# Altium PCB LAB_B3_209_V1.PcbDoc (part 3 of 4) (continued)
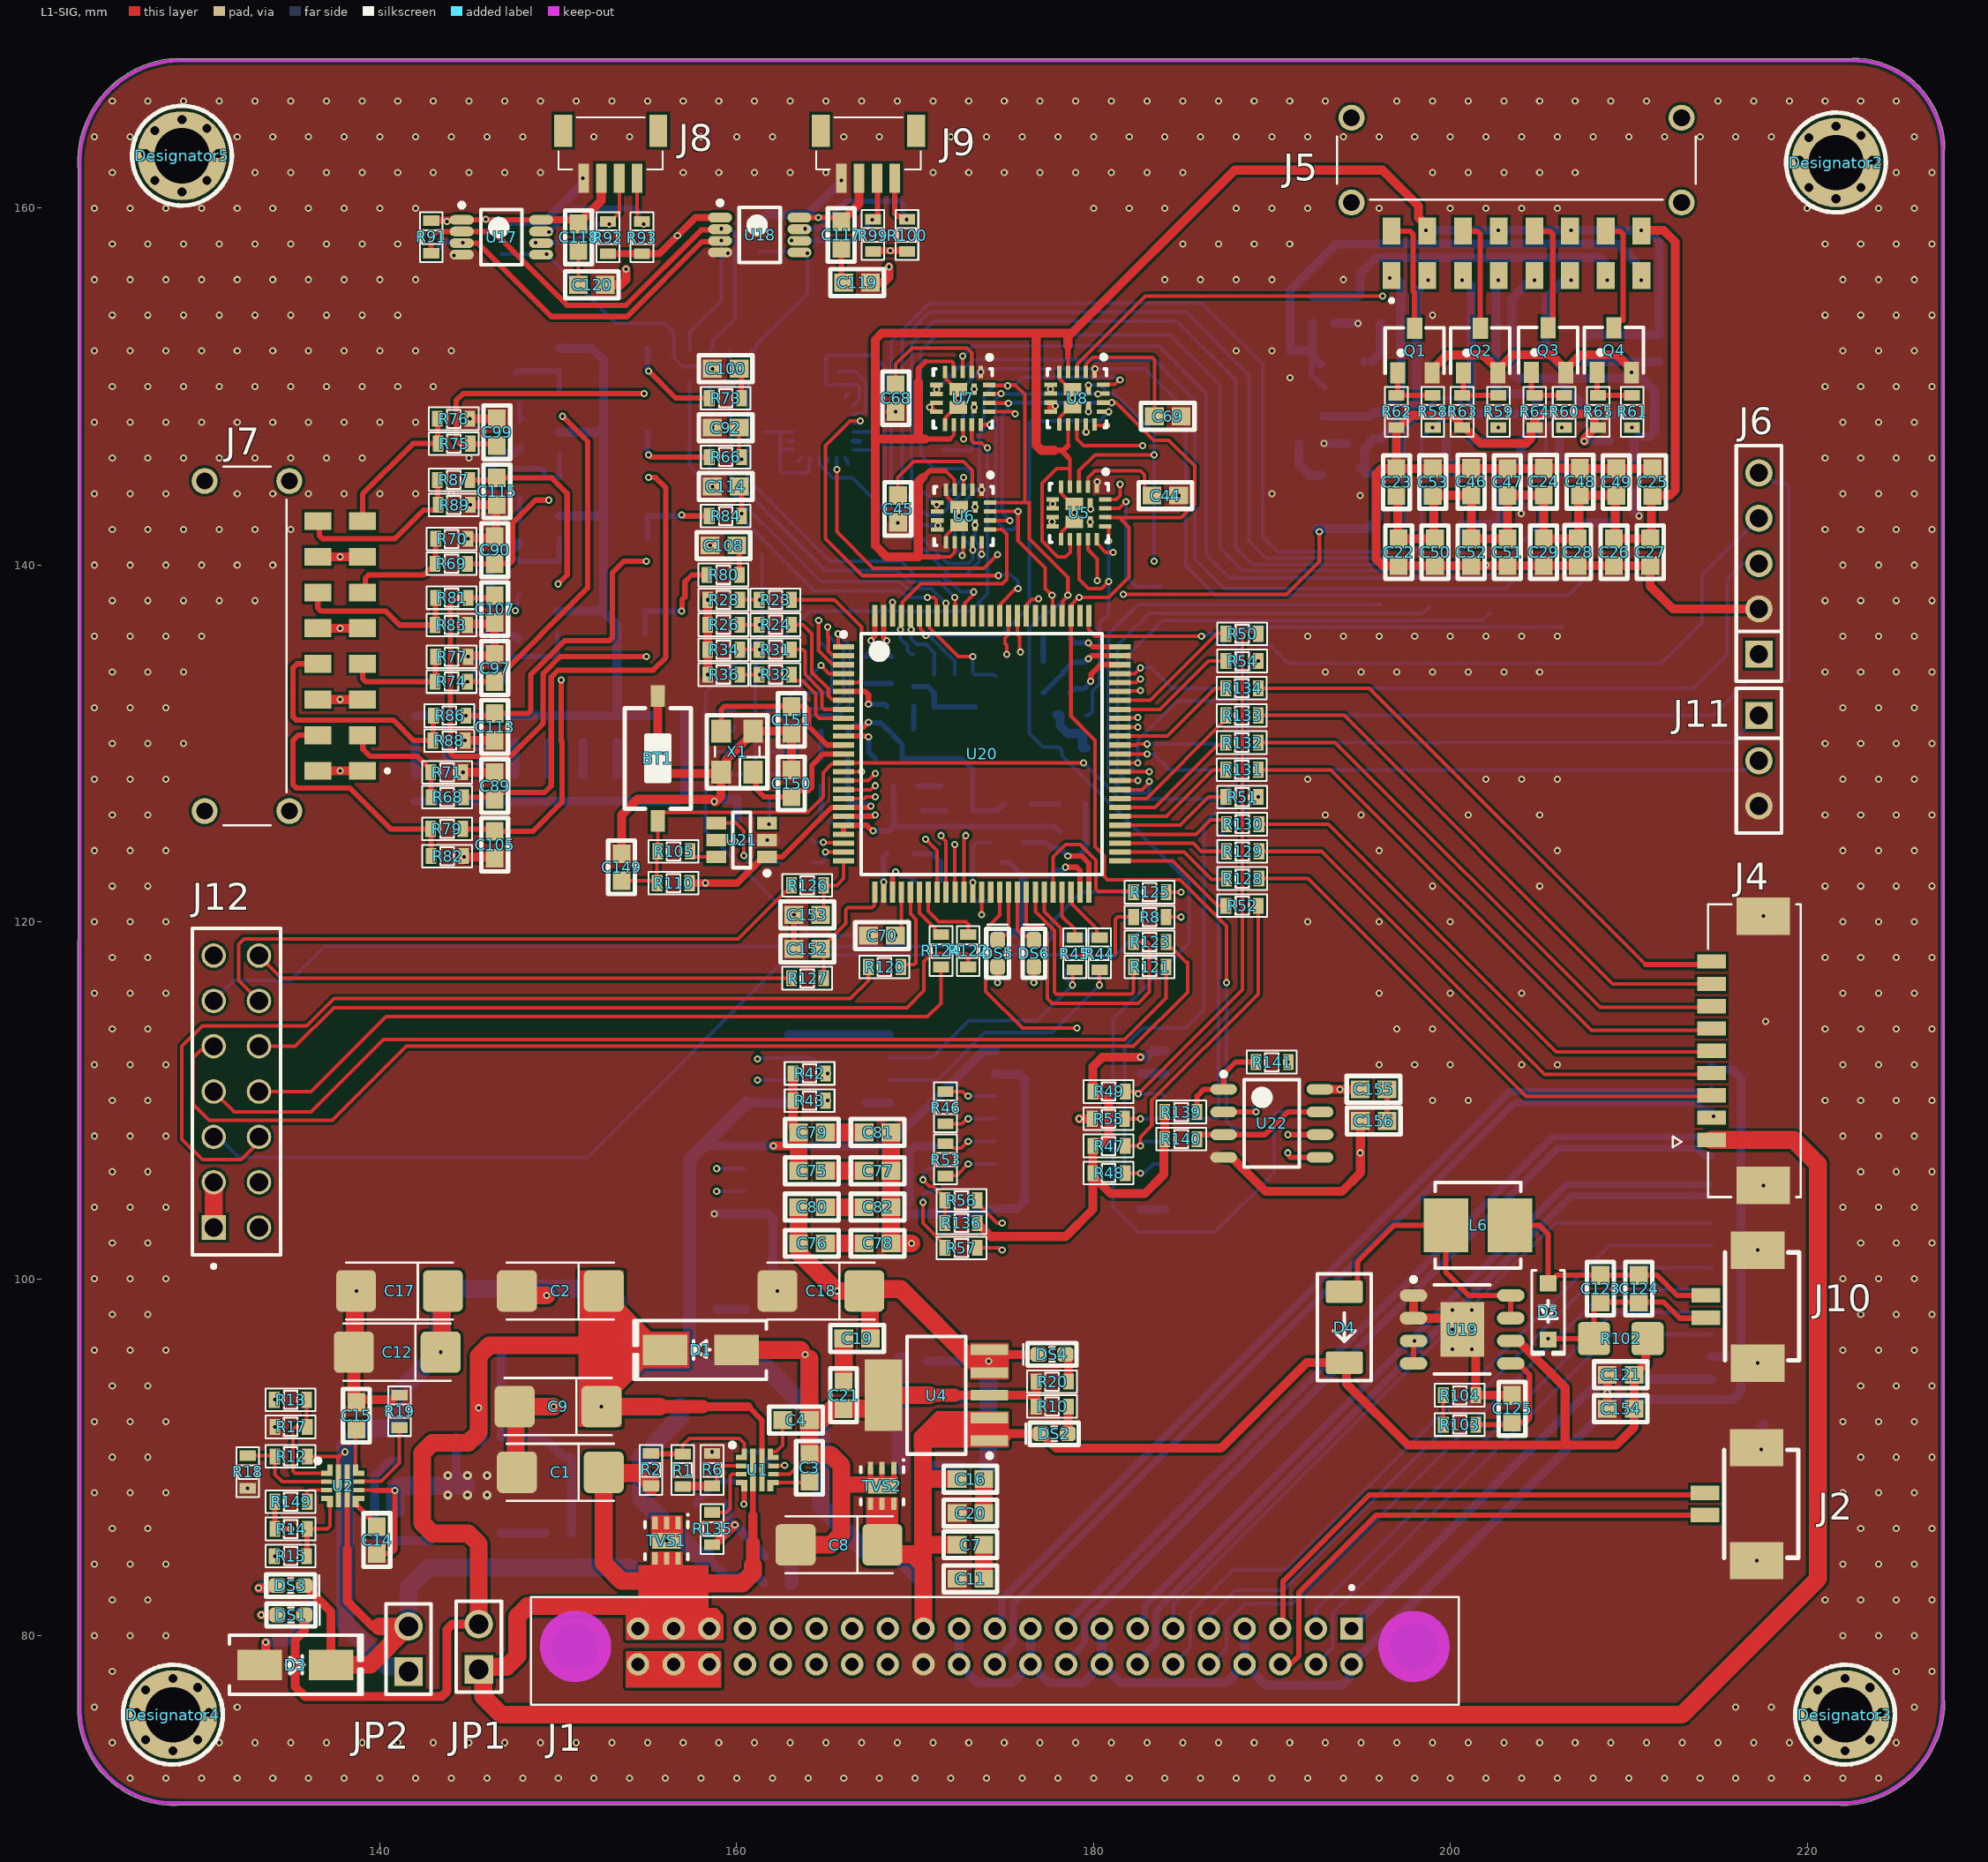
[diagram p0: L1-SIG view]
## Nets (pads, with @x,y where several pads share a name; then routed paths per layer and width w, separated by ;. In a path a pad name is that pad's centre, name@x,y a point inside that pad or via, vN(x,y) a via of type N, cw(c..) or ccw(c..) an arc to the next point about the centre after c; other vN are vias at no path point) (continued)
NetR12_1: R12.1 R18.2 U2.2 | length 5.6
  L1-SIG w0.2: R18.2@132.588,90.081 134.074,90.081 R12.1@134.112,90.043 134.112,89.027 134.522,88.617 U2.2@137.021,88.617
NetR13_1: R13.1 R17.2 U2.1 | length 6.7
  L1-SIG w0.2: R13.1@135.89,93.218 135.89,91.732 R17.2@135.928,91.694 135.255,91.694 135.128,91.567 135.128,89.209 135.245,89.092 U2.1@137.021,89.092
NetR14_2: R14.2 R15.1 U2.4 | length 4.3
  L1-SIG w0.2: R14.2@135.928,85.979 137.043,85.979 137.196,86.132 U2.4@137.196,87.517
  L1-SIG w0.3: R15.1@135.89,84.455 135.909,84.474 135.909,85.96 R14.2@135.928,85.979
NetR19_2: R19.2 U2.9 | length 4.7
  L1-SIG w0.2: U2.9@138.821,88.617 138.846,88.642 140.076,88.642 141.096,89.662 R19.2@141.096,91.656
NetR21_2: R21.2 R27.2 U5.13 | length 28.3
  L1-SIG w0.2: U5.13@179.681,141.449 179.681,140.867 180.213,140.335 v2(180.213,139.123)
  L4-SIG w0.2: v6(159.893,131.826) 166.243,131.826 167.513,133.096 173.609,133.096 174.498,133.985 174.498,135.001 175.514,136.017 178.562,136.017 180.213,137.668 v2(180.213,139.123)
  L6-SIG w0.2: R27.2@158.915,131.826 R21.2@159.855,131.826 v6(159.893,131.826)
NetR22_2: R22.2 R25.2 U6.13 | length 24.6
  L4-SIG w0.2: v6(159.893,130.937) 159.278,131.552 159.278,133.497 160.338,134.556 161.617,134.556 161.74,134.679 161.74,136.838 161.734,136.844 161.734,136.968 160.84,137.863 160.84,138.235 161.162,138.557 166.497,138.557 169.037,141.097 172.974,141.097 v5(173.228,140.843)
  L6-SIG w0.2: R25.2@158.915,130.683 R22.2@159.855,130.683 159.855,130.899 v6(159.893,130.937)
NetR23_2: R23.2 R28.2 U5.19 | length 28.3
  L1-SIG w0.2: R28.2@160.185,138.049 R23.2@161.252,138.049
  L4-SIG w0.2: v5(161.29,138.049) 162.433,138.049 165.323,135.159 171.608,135.159 177.234,140.785 181.62,140.785 181.737,140.902 181.737,141.615 181.62,141.732 181.229,141.732 v2(179.832,143.129)
NetR24_2: R24.2 R26.2 U6.19 | length 18.8
  L1-SIG w0.2: R26.2@160.185,136.652 R24.2@161.252,136.652
  L4-SIG w0.2: v5(161.29,136.652) 160.909,136.652 160.49,137.071 160.49,138.38 161.429,139.319 166.243,139.319 170.815,143.891 172.72,143.891 v2(173.355,143.256)
NetR29_2: R29.2 R33.2 U7.13 | length 32.8
  L1-SIG w0.2: U7.13@173.171,147.865 173.171,146.977 173.312,146.836 173.727,146.836 174.005,146.558 v2(174.059,146.558)
  L6-SIG w0.2: R33.2@158.879,128.27 R33.2@158.915,128.27 R29.2@159.855,128.27 160.655,128.27 161.036,128.651 161.036,134.366 164.084,137.414 173.101,137.414 174.059,138.372 v2(174.059,146.558)
  other v6: 158.878,128.271
NetR30_2: R30.2 R35.2 U8.13 | length 49.4
  L4-SIG w0.2: v6(158.825,129.488) 155.702,132.611 155.702,144.018 158.115,146.431 165.341,146.431 166.534,147.624 167.24,147.624 167.513,147.897 171.011,147.897 172.046,148.932 172.046,151.853 172.466,152.273 174.511,152.273 176.053,150.731 176.053,148.191 176.797,147.447 v5(179.578,147.447)
  L6-SIG w0.2: v6(158.825,129.488) 158.863,129.488 R35.2@158.915,129.54 R30.2@159.855,129.54
NetR31_2: R31.2 R34.2 U7.19 | length 25.5
  L1-SIG w0.2: R34.2@160.185,135.255 R31.2@161.252,135.255 v5(161.285,135.255)
  L4-SIG w0.2: v5(161.285,135.255) 160.782,135.255 160.02,136.017 160.02,138.938 161.163,140.081 166.37,140.081 173.863,147.574 173.863,149.291 v2(173.306,149.848)
NetR32_2: R32.2 R36.2 U8.19 | length 38.7
  L1-SIG w0.2: R36.2@160.185,133.858 R32.2@161.252,133.858 v5(161.29,133.858)
  L4-SIG w0.2: v5(161.29,133.858) 173.355,133.858 173.736,134.239 173.736,135.763 178.181,140.208 v2(183.388,140.208)
  L6-SIG w0.2: v2(179.705,150.076) 180.383,150.076 180.829,149.63 181.141,149.63 183.388,147.383 v2(183.388,140.208)
NetR37_1: R37.1 U9.20 | length 4.2
  L6-SIG w0.2: R37.1@165.735,150.876 166.624,150.876 167.259,150.241 167.259,148.641 167.142,148.524 166.75,148.524 166.706,148.48 166.575,148.48 U9.20@166.546,148.451
NetR39_2: R39.2 U9.3 U9.5 U9.7 U9.9 | length 8.6
  L4-SIG w0.2: v6(163.95,145.161) 164.585,145.796 v6(165.1,145.796)
  L6-SIG w0.2: R39.2@161.544,147.451 162.489,147.451 U9.9@163.146,147.451 ; 162.516,147.395 162.439,147.318 162.439,146.351 ; U9.7@163.146,146.451 163.117,146.48 162.986,146.48 162.984,146.482 162.569,146.482 162.439,146.351 ; U9.5@164.067,145.846 164.067,145.278 v6(163.95,145.161) 162.55,145.161 162.433,145.278 162.433,146.345 162.439,146.351 ; U9.5@164.096,146.001 164.125,145.972 U9.5@164.125,145.846 ; U9.3@165.096,146.001 165.098,145.999 165.098,145.798 v6(165.1,145.796)
NetR47_2: R47.2 R52.1 U12.5 | length 18.5
  L1-SIG w0.2: R47.2@181.775,107.442 v2(182.626,107.442) 182.626,107.95 183.261,108.585 183.261,109.982 189.23,115.951 R52.1@189.23,120.904
  L6-SIG w0.2: v2(182.626,107.442) 182.88,107.696 U12.5@183.998,107.696
NetR48_2: R48.2 R54.1 U12.6 | length 36.4
  L1-SIG w0.2: R48.2@181.775,105.918 v2(182.626,105.918)
  L6-SIG w0.2: U12.6@183.998,106.426 183.348,106.426 182.878,105.956 182.664,105.956 v2(182.626,105.918) 182.607,105.937 181.972,105.937 181.737,106.172 181.737,113.03 182.753,114.046 185.166,114.046 186.182,115.062 186.182,125.476 188.595,127.889 188.595,133.985 v2(189.23,134.62)
NetR49_2: R49.2 R50.1 U12.3 | length 31.6
  L1-SIG w0.2: R49.2@181.775,110.49 v2@182.498,110.49 ; v2(182.498,110.362) v2@182.498,110.49 ; R50.1@189.23,136.144 189.103,136.271 188.458,136.271 188.341,136.154 188.341,116.205 182.626,110.49 v2@182.498,110.49
  L6-SIG w0.2: v2(182.498,110.362) 183.872,110.362 U12.3@183.998,110.236
NetR51_1: R51.1 R55.1 U12.4 | length 24.2
  L1-SIG w0.2: R55.1@181.737,108.966 v2(182.626,108.966)
  L6-SIG w0.2: v2(182.626,108.966) U12.4@183.998,108.966 186.885,108.966 187.002,109.083 187.002,124.772 v2(189.23,127)
NetR56_2: R56.2 R136.2 U11.2 | length 4.2
  L1-SIG w0.2: v2(170.434,105.552) 170.815,105.171 171.039,105.171 171.666,104.544 R56.2@171.666,104.394 R136.2@171.666,103.124
  L6-SIG w0.2: v2(170.434,105.552) 170.472,105.59 170.472,105.987 170.657,106.172 U11.2@171.035,106.172
NetR57_2: R57.2 U11.3 | length 4.2
  L1-SIG w0.2: v2(170.434,104.282) 170.434,103.109 171.666,101.877 R57.2@171.666,101.727
  L6-SIG w0.2: v2(170.434,104.282) 170.472,104.32 170.472,104.717 170.657,104.902 U11.3@171.035,104.902
NetR66_2: R66.2 U13.1 U13.2 | length 4.7
  L1-SIG w0.3: v2(155.067,146.177) 155.194,146.05 R66.2@158.458,146.05
  L6-SIG w0.3: U13.1@154.997,147.447 154.997,146.247 v2(155.067,146.177)
NetR67_1: R67.1 U13.6 U13.7 | length 4
  L6-SIG w0.3: R67.1@147.658,145.415 149.051,145.415 149.227,145.239 149.227,145.042 149.362,144.907 U13.6@150.057,144.907 U13.7@150.057,146.177
NetR72_1: R72.1 U14.6 U14.7 | length 3.9
  L6-SIG w0.3: R72.1@147.574,150.749 R72.1@147.701,150.876 ; R72.1@147.638,150.876 R72.1@147.701,150.876 ; U14.6@150.057,149.606 U14.7@150.057,150.876 R72.1@147.701,150.876
NetR73_2: R73.2 U14.1 U14.2 | length 5.3
  L1-SIG w0.3: v2(155.067,150.876) 156.591,149.352 R73.2@158.458,149.352
  L6-SIG w0.3: U14.1@154.997,152.146 154.997,150.946 v2(155.067,150.876)
NetR78_1: R78.1 U15.6 U15.7 | length 4.1
  L6-SIG w0.3: R78.1@147.193,134.747 147.32,134.874 U15.6@149.93,134.874 U15.7@149.93,136.144
NetR80_2: R80.2 U15.1 U15.2 | length 6.4
  L1-SIG w0.3: v2(156.914,137.414) 156.933,137.433 156.933,138.048 157.099,138.214 157.099,139.065 157.48,139.446 R80.2@158.331,139.446
  L6-SIG w0.3: U15.2@154.87,136.144 U15.1@154.87,137.414 v2(156.914,137.414)
NetR84_2: R84.2 U16.1 U16.2 | length 4.8
  L1-SIG w0.3: v2(156.914,142.812) 156.941,142.812 157.005,142.748 R84.2@158.458,142.748
  L6-SIG w0.3: U16.2@154.997,141.478 U16.1@154.997,142.748 156.823,142.748 156.887,142.812 v2(156.914,142.812)
NetR85_1: R85.1 U16.6 U16.7 | length 3.7
  L6-SIG w0.3: R85.1@147.701,140.335 R85.1@147.828,140.208 U16.6@150.057,140.208 U16.7@150.057,141.478
NetR90_1: R90.1 R95.2 U17.3 U18.3 | length 26.9
  L1-SIG w0.3: v2(144.653,158.069) 144.678,158.044 145.486,158.044 149.606,153.924 153.852,153.924 158.051,158.123 159.058,158.123 v2(159.131,158.196)
  L6-SIG w0.2: R95.2@157.353,152.057 157.353,153.035 159.131,154.813 v2(159.131,158.196)
  L6-SIG w0.3: R90.1@142.875,157.48 143.025,157.48 143.641,158.096 144.253,158.096 144.28,158.069 v2(144.653,158.069)
NetR91_1: R91.1 R94.2 U17.2 U18.2 | length 28.8
  L1-SIG w0.3: R91.1@142.875,157.48 142.875,158.369 143.2,158.694 U17.2@144.587,158.694 146.36,158.694 150.495,154.559 153.797,154.559 158.011,158.773 159.058,158.773 v2(159.131,158.846)
  L6-SIG w0.2: R94.2@158.496,152.057 158.646,152.207 158.646,152.55 159.893,153.797 159.893,158.633 159.776,158.75 159.766,158.75 159.67,158.846 v2(159.131,158.846)
NetR96_2: R96.2 R98.2 U17.5 | length 17.1
  L6-SIG w0.2: R98.2@146.812,157.442 146.835,157.419 v2(149.352,157.419) 153.228,153.543 155.956,153.543 156.464,153.035 156.464,151.638 156.972,151.13 159.512,151.13 159.639,151.257 R96.2@159.639,152.057
NetR97_1: R97.1 R101.2 U18.5 | length 9.6
  L6-SIG w0.2: R97.1@160.782,152.019 160.932,152.019 161.132,152.219 161.132,152.369 163.957,155.194 v2(163.957,157.48) 163.903,157.48 163.814,157.569 R101.2@161.29,157.569
NetR105_2: R105.2 U21.6 | length 1.7
  L1-SIG w0.2: R105.2@157.391,123.952 157.391,123.837 157.591,123.637 U21.6@158.849,123.637
NetR106_2: R106.2 U21.5 | length 3.6
  L1-SIG w0.2: U21.5@158.849,124.587 158.918,124.518 v2(159.893,124.518)
  L6-SIG w0.2: v2(159.893,124.518) 162.326,124.518 R106.2@162.395,124.587
NetR107_2: R107.2 U21.4 | length 5.4
  L1-SIG w0.2: U21.4@158.849,125.537 159.959,125.537 160.401,125.095 v2(160.401,123.709)
  L6-SIG w0.2: v2(160.401,123.709) 160.401,123.655 160.655,123.401 160.655,123.317 R107.2@162.395,123.317
NetR108_2: R108.2 R109.2 U21.3 | length 1.1
  L6-SIG w0.2: R108.2@161.836,125.73 R109.2@161.836,126.873
  other v2: 161.798,125.476
NetR118_1: R118.1 R119.2 U20.94 | length 6
  L1-SIG w0.2: U20.94@170.736,137.163 170.786,137.113 170.786,136.509 172.421,134.874 v2(173.229,134.873)
  L6-SIG w0.2: v2(173.229,134.873) 173.229,133.984 R118.1@173.355,133.858 174.409,133.858 R119.2@174.498,133.769
NetR135_2: R135.2 U1.3 | length 3.6
  L1-SIG w0.2: R135.2@158.622,86.906 159.422,86.906 159.638,87.122 159.638,88.939 159.755,89.056 U1.3@160.258,89.056
NetR137_1: R137.1 R138.1 U20.37 | length 5.7
  L1-SIG w0.2: U20.37@173.236,121.663 v2(173.236,122.213)
  L6-SIG w0.2: R137.1@174.244,124.46 173.482,124.46 173.236,124.214 173.236,123.182 173.236,121.275 173.353,121.158 R138.1@174.246,121.158
NetR139_1: R139.1 R141.1 U22.1 | length 5.5
  L1-SIG w0.3: R139.1@185.801,109.347 185.801,110.236 186.182,110.617 U22.1@187.292,110.617 187.292,111.473 187.963,112.144 188.35,112.144 188.353,112.141 R141.1@189.103,112.141
NetR140_1: R140.1 U22.3 U22.7 | length 7.6
  L1-SIG w0.3: R140.1@185.801,107.823 185.801,107.927 185.951,108.077 U22.3@187.292,108.077 189.611,108.077 190.881,109.347 U22.7@192.692,109.347
NetR142_1: R142.1 U22.6 | length 2.1
  L1-SIG w0.2: U22.6@192.946,108.077 U22.6@193.396,108.077
  L1-SIG w0.3: v2@191.008,108.077 U22.6@192.692,108.077
  other v2: 190.881,108.077
NetR143_1: R143.1 U22.5 | length 1.9
  L1-SIG w0.3: 191.008,106.807 U22.5@192.692,106.807 U22.5@192.749,106.75
  L6-SIG w0.3: R143.1@190.881,106.934 R143.1@190.881,107.084
  other v2: 190.881,107.061
NetR144_1: R144.1 U22.2 | length 2.1
  L1-SIG w0.3: U22.2@187.292,109.347 v2(189.103,109.347)
  L6-SIG w0.2: R144.1@188.903,109.601 189.103,109.401 v2(189.103,109.347)
NetR149_2: R149.2 U2.3 | length 1.7
  L1-SIG w0.2: R149.2@135.928,87.503 135.89,87.541 135.89,88.011 136.046,88.167 U2.3@137.021,88.167
NTC1+: 10.8 C18.1 C19.2 C36.2 C39.2 C60.2 C63.2 C72.2 C76.2 C80.2 C85.1 C87.1 C94.1 C95.1 C101.1 C103.1 C109.1 C111.1 C117.1 C118.1 C126.1 C127.1 C128.1 C132.1 C136.1 C137.1 C138.1 C143.1 C155.1 DS4.A J6.1 J7.1 J7.3 J7.5 J7.7 J7.9 J7.11 J7.13 J7.15 J8.2 J9.2 L7.1 R3.1 R14.1 R37.2 R38.2 R40.2 R41.2 R47.1 R48.1 R49.1 R90.2 R91.2 R92.2 R93.2 R99.2 R100.2 R110.1 R118.2 R135.1 R136.1 R137.2 R139.2 R140.2 R145.2 R146.2 R147.2 R148.2 R149.1 U4.4 U4.5 U5.14 U6.14 U7.14 U8.14 U11.1 U12.1 U13.8 U14.8 U15.8 U16.8 U17.1 U17.8 U18.1 U18.8 U20.6 U20.11 U20.19 U20.28 U20.50 U20.75 U20.100 U21.1 U22.8 | length 204.8
  L1-SIG w0.2: U7.14@173.671,147.865 v7(174.207,147.865) ; U6.14@173.72,141.273 173.72,140.605 v7@173.736,140.589 ; U8.14@180.07,147.877 180.07,147.853 180.095,147.828 v7(180.721,147.828) ; U5.14@180.181,141.449 180.181,141.224 180.689,140.716 v7(181.102,140.716)
  L1-SIG w0.3: R149.1@134.112,87.503 R14.1@134.112,85.979 v7(135.001,85.979) ; R91.2@142.875,159.296 R91.2@142.899,159.32 ; U17.1@144.563,159.32 U17.1@144.587,159.344 U17.8@149.037,159.344 ; R135.1@158.622,85.09 R135.1@158.772,85.09 ; v2(159.892,86.21) v2@159.892,86.233 ; U21.1@161.499,123.637 U21.1@161.699,123.637 162.536,123.637 165.312,126.413 167.407,126.413 167.486,126.492 v2(167.513,126.492) ; U18.8@163.515,159.471 165.637,159.471 C117.1@165.862,159.246 ; U20.11@165.986,130.413 167.317,130.413 167.359,130.371 v2(167.386,130.371) ; U20.6@165.986,132.913 167.21,132.913 167.386,132.737 v2(167.386,132.207) ; v2(167.513,135.763) 167.513,135.79 167.736,136.013 U20.100@167.736,137.163 ; U20.28@168.736,121.663 168.736,122.608 ; v2(178.562,123.698) 179.324,123.698 179.736,123.286 U20.50@179.736,121.663 ; v2(179.705,135.636) 179.732,135.636 179.955,135.413 U20.75@181.486,135.413
  L1-SIG w0.4: R91.2@142.899,159.32 U17.1@144.563,159.32 ; U17.8@149.037,159.344 C118.1@150.905,159.344 ; R92.2@152.781,157.442 R93.2@154.686,157.442 155.664,157.442 157.693,159.471 U18.1@159.065,159.471 ; R110.1@157.353,122.174 160.036,122.174 U21.1@161.499,123.637 ; R99.2@167.69,157.619 R100.2@169.545,157.619
  L1-SIG w0.5: J7.9@136.525,128.461 J7.1@139.025,128.461 ; J7.11@136.525,132.461 J7.3@139.025,132.461 ; J7.13@136.525,136.461 J7.5@139.025,136.461 ; J7.15@136.525,140.461 J7.7@139.025,140.461 ; C118.1@150.905,159.344 C118.1@151.13,159.119 151.13,159.144 152.4,160.414 152.4,161.655 J8.2@152.416,161.671 ; R135.1@158.772,85.09 v2(159.892,86.21) ; C117.1@165.862,159.246 165.862,159.271 166.112,159.521 166.137,159.521 166.862,160.246 J9.2@166.862,161.671 ; R99.2@167.64,157.569 R99.2@167.69,157.619 ; R136.1@173.482,103.124 173.482,102.974 173.532,102.924 173.682,102.924 174.244,102.362 178.435,102.362 179.959,103.886 R48.1@179.959,105.768 ; U4.4@174.171,94.742 v2@174.171,95.377 ; U4.5@174.171,96.012 174.81,96.012 174.86,95.962 174.86,95.758 DS4.A@176.923,95.758 ; R49.1@179.959,110.34 180.009,110.29 180.555,110.29 180.848,109.997 180.848,107.935 180.555,107.642 180.009,107.642 179.959,107.592 R47.1@179.959,107.442 R48.1@179.959,105.918 R48.1@179.959,105.768 ; R49.1@179.959,110.49 179.959,111.887 180.482,112.41 v2(182.626,112.41) ; R139.2@183.985,109.347 R140.2@183.985,107.823 183.935,107.773 183.935,105.83 182.88,104.775 180.952,104.775 R48.1@179.959,105.768 ; U22.8@192.692,110.617 C155.1@194.945,110.617
  L1-SIG w1: C76.2@163.461,101.981 C80.2@163.461,104.013 ; 163.486,101.436 v7(165.608,99.314) C18.1@167.154,99.314 ; C19.2@167.501,96.647 167.476,96.647 167.476,98.992 C18.1@167.154,99.314 ; v2@174.171,95.377 173.228,95.377 169.188,99.417 167.257,99.417 C18.1@167.154,99.314
  L6-SIG w0.3: C143.1@166.231,129.159 166.231,126.795 166.407,126.619 167.359,126.619 167.486,126.492 v2(167.513,126.492) ; C138.1@167.259,134.862 167.513,135.116 v2@167.513,135.736 ; v2(167.386,130.371) 167.404,130.353 167.404,129.509 167.754,129.159 C128.1@167.779,129.159 ; v2(167.386,132.207) 168.287,132.207 C137.1@168.414,132.08 ; v2(168.91,122.809) 168.937,122.809 169.161,122.585 169.654,122.585 C126.1@169.938,122.301 ; R146.2@169.926,133.185 170.726,133.185 171.069,132.842 v8(171.069,132.042) R148.2@172.212,132.042 R118.2@173.355,132.042 ; R137.2@176.06,124.46 177.307,124.46 177.625,124.141 178.092,124.141 178.535,123.698 v2(178.562,123.698) 179.197,123.698 179.551,124.052 L7.1@179.551,125.095 179.551,126.604 C132.1@179.566,126.619 ; C127.1@178.677,135.89 178.931,135.636 v2(179.705,135.636)
  L6-SIG w0.4: R90.2@142.875,159.296 143.726,159.296 v2(143.764,159.258)
  L6-SIG w0.5: C87.1@141.986,131.56 C85.1@143.764,131.56 C109.1@145.669,131.56 C94.1@147.574,131.56 C103.1@149.479,131.56 C101.1@151.384,131.56 C95.1@153.289,131.56 ; U15.8@149.93,137.414 152.234,137.414 152.527,137.707 152.527,143.041 ; U16.8@150.057,142.748 152.234,142.748 152.527,143.041 ; U13.8@150.057,147.447 152.234,147.447 152.527,147.74 ; U14.8@150.057,152.146 151.892,152.146 152.527,151.511 152.527,147.74 ; 152.381,137.56 153.289,136.652 C95.1@153.289,131.56 ; C111.1@155.194,131.56 C95.1@153.289,131.56 ; R3.1@159.511,87.376 159.511,86.591 v2(159.892,86.21) 161.281,84.821 161.281,84.705 161.531,84.455 C72.2@161.556,84.455 ; v8(167.259,109.855) 10.8@168.56,109.855 ; v8(169.672,104.282) 169.672,107.134 169.965,107.427 171.02,107.427 U11.1@171.035,107.442 ; C39.2@174.111,89.541 C39.2@174.117,89.535 ; R38.2@177.927,131.61 178.077,131.61 178.127,131.56 178.127,130.991 178.562,130.556 179.285,130.556 179.378,130.463 179.378,129.806 179.428,129.756 R145.2@179.578,129.756 ; R41.2@178.435,119.164 178.474,119.125 v8(179.198,119.125) ; v8(179.198,119.125) 179.921,119.126 R40.2@179.959,119.164 ; v2(182.626,112.41) 182.982,112.41 183.348,112.776 U12.1@183.998,112.776 ; 152.527,143.041 152.527,147.74
  L6-SIG w1: C39.2@174.111,89.541 174.105,89.547 C36.2@174.105,91.44 C60.2@174.105,93.345 174.117,93.345 v2(174.117,95.377)
  other v7: 193.818,110.617 158.242,122.174 137.775,128.461 137.775,132.461 137.775,136.461 137.775,140.461 173.728,140.597 168.618,157.619 156.679,158.457 145.923,159.385 164.576,159.471
  other v8: 179.197,103.124 178.345,130.773 141.986,131.572 152.337,131.56 152.527,140.374 152.527,145.39 163.919,150.876 151.765,152.146
NTC1-: J7.2 R68.1 R71.2 | length 6.6
  L1-SIG w0.3: J7.2@139.025,130.461 139.045,130.441 139.045,129.687 139.446,129.286 142.086,129.286 142.856,128.516 142.856,127.007 R68.1@142.875,126.988
NTC2-: J7.4 R74.2 R77.1 | length 6.4
  L1-SIG w0.3: J7.4@139.025,134.461 139.025,133.644 139.204,133.465 R74.2@143.091,133.465 143.11,133.484 143.11,134.843 R77.1@143.129,134.862
NTC3-: J7.6 R69.2 R70.1 | length 6.6
  L1-SIG w0.3: J7.6@139.025,138.461 139.192,138.628 139.192,139.27 139.368,139.446 142.468,139.446 142.791,139.769 142.941,139.769 143.091,139.919 R69.2@143.091,140.069 143.11,140.088 143.11,141.447 R70.1@143.129,141.466
NTC4-: J7.8 R75.1 R76.2 | length 8.3
  L1-SIG w0.3: J7.8@139.025,142.461 139.025,143.978 141.859,146.812 R75.1@143.244,146.812 ; R76.2@143.218,148.197 143.237,148.178 143.237,146.819 R75.1@143.244,146.812 ; R75.1@143.256,146.8 R75.1@143.244,146.812
NTC5-: J7.10 R79.2 R82.1 | length 14.3
  L1-SIG w0.3: J7.10@136.525,130.461 135.414,130.461 135.128,130.175 135.128,127.684 135.304,127.508 138.303,127.508 140.601,125.21 R79.2@142.837,125.21 142.856,125.191 142.856,123.705 R82.1@142.875,123.686
NTC6-: J7.12 R86.1 R88.2 | length 14
  L1-SIG w0.3: J7.12@136.525,134.461 135.35,134.461 135.128,134.239 135.128,131.494 135.304,131.318 140.743,131.318 141.898,130.163 R88.2@142.964,130.163 142.983,130.182 142.983,131.541 R86.1@143.002,131.56
NTC7-: J7.14 R81.1 R83.2 | length 9.4
  L1-SIG w0.3: J7.14@136.525,138.461 136.525,137.59 136.701,137.414 140.335,137.414 141.109,136.64 R83.2@143.091,136.64 143.11,136.659 143.11,138.145 R81.1@143.129,138.164
NTC8-: J7.16 R87.2 R89.1 | length 9.8
  L1-SIG w0.3: J7.16@136.525,142.461 136.603,142.383 136.603,141.654 136.779,141.478 140.843,141.478 142.436,143.071 143.106,143.071 143.256,143.221 R89.1@143.256,143.371 143.237,143.39 143.237,144.749 R87.2@143.218,144.768
TEC_1_A: C30.2 C31.2 C35.2 J5.1 U5.8 U5.9 | length 39.5
  L1-SIG w0.2: U5.9@177.706,142.174 177.698,142.174 177.673,142.199 v5(177.673,142.424) 177.673,142.649 177.698,142.674 U5.8@177.706,142.674
  L4-SIG w0.2: v5(177.673,142.424) 178.191,142.424 178.308,142.541 178.308,143.51 178.562,143.764 179.833,143.764 181.153,142.445 194.769,142.445 195.961,143.637 195.961,146.558 194.437,148.082 v6(192.913,148.082)
  L6-SIG w0.5: C30.2@192.913,148.324 C31.2@194.183,148.324 C35.2@195.453,148.324 195.684,148.555 196.307,148.555 197.231,149.479 197.231,155.79 196.938,156.083 v2(196.596,156.083)
TEC_1_ADC: U5.20 U9.2 | length 20.3
  L1-SIG w0.2: v2(165.608,145.346) 165.608,141.859 167.64,139.827 173.863,139.827 v5(174.625,140.589)
  L4-SIG w0.2: v5(174.625,140.589) 175.895,141.859 178.562,141.859 179.119,142.416 v2(179.816,142.416)
  L6-SIG w0.2: U9.2@165.596,146.001 165.602,145.995 165.602,145.352 v2(165.608,145.346)
TEC_1_B: C35.1 C42.2 J5.2 L2.2 U5.12 | length 38.2
  L1-SIG w0.2: U5.12@179.181,141.449 179.181,140.478 179.198,140.461 179.198,139.191 179.716,138.673 180.456,138.673 v5(180.848,139.065) ; v5(181.674,138.366) 190.817,138.366 192.659,140.208 v2(192.659,141.859)
  L4-SIG w0.2: v5(180.848,139.065) 181.509,138.404 181.636,138.404 v5(181.674,138.366)
  L6-SIG w0.5: v2(192.659,141.859) 192.659,141.908 L2.2@192.532,142.035 195.357,142.035 195.961,142.639 195.961,144.835 195.668,145.128 C42.2@195.195,145.128 ; C42.2@194.945,145.403 195.195,145.653 195.195,146.541 195.453,146.799 195.453,146.849 195.703,147.099 196.121,147.099 198.12,149.098 198.12,155.321 v2(198.755,155.956)
TEC_2_A: C32.2 C33.2 C34.2 J5.3 U6.8 U6.9 | length 75.3
  L1-SIG w0.2: U6.9@171.245,141.998 171.264,141.998 171.289,142.023 v2(171.289,142.204) ; v2@171.245,142.248 U6.8@171.245,142.498
  L6-SIG w0.2: v2(171.289,142.204) 170.732,142.204 170.689,142.248 170.172,142.248 168.656,143.764 168.656,152.527 170.815,154.686 186.055,154.686 189.484,151.257 189.484,141.605 190.346,140.743 196.369,140.743 197.358,141.732 197.358,147.447 199.263,149.352 200.304,149.352 201.168,148.488 C33.2@201.168,148.463
  L6-SIG w0.5: v2(200.66,155.956) 200.875,155.956 201.168,155.663 C33.2@201.168,148.488 ; C33.2@201.168,148.463 C32.2@202.565,148.463 202.571,148.457 203.956,148.457 C34.2@203.962,148.451
TEC_2_ADC: U6.20 U9.4 | length 14.4
  L6-SIG w0.2: U9.4@164.596,146.001 164.625,145.972 164.625,145.841 164.65,145.816 164.65,145.61 165.364,144.896 166.482,144.896 171.932,139.446 172.847,139.446 173.578,140.177 173.578,141.115 173.355,141.338 v2(173.355,142.24)
TEC_2_B: C34.1 C43.2 J5.4 L3.2 U6.12 | length 77.8
  L1-SIG w0.2: v2(172.634,140.531) 172.634,140.585 172.695,140.646 172.695,141.248 U6.12@172.72,141.273
  L6-SIG w0.2: v2(172.634,140.531) 172.634,140.536 172.212,140.958 172.212,143.637 173.17,144.595 173.17,145.093 172.848,145.415 171.069,145.415 170.307,146.177 170.307,152.019 171.196,152.908 184.277,152.908 187.071,150.114 187.071,140.97 188.348,139.693 200.145,139.693 200.704,140.252 200.704,140.836 200.66,140.88 L3.2@200.66,142.289
  L6-SIG w0.5: L3.2@200.66,142.289 202.526,142.289 202.819,142.582 202.819,145.376 203.808,145.376 C43.2@203.962,145.53 C34.1@203.962,146.951 ; v2(202.692,155.956) 202.565,155.829 202.565,149.899 202.858,149.606 204.398,149.606 204.862,149.142 204.862,147.519 204.569,147.226 C34.1@204.212,147.226
TEC_3_A: C54.2 C55.2 C58.2 J5.5 U7.8 U7.9 | length 55.1
  L1-SIG w0.2: v2(170.814,148.845) v2@170.942,148.844 ; U7.9@171.196,148.59 v2@170.942,148.844 ; U7.8@171.196,149.09 170.971,149.09 170.946,149.065 170.946,148.969 170.942,148.965 v2@170.942,148.844
  L4-SIG w0.2: v2(170.814,148.845) 170.814,148.899 170.724,148.99 170.724,149.06 170.717,149.066 170.717,152.048 171.704,153.035 175.019,153.035 179.337,157.353 203.708,157.353 204.724,156.337 v2(204.724,155.956)
  L6-SIG w0.5: v2(204.724,155.956) 204.47,155.956 203.454,154.94 203.454,150.764 203.747,150.471 205.921,150.471 207.264,149.128 207.264,149.031 207.268,149.027 207.268,148.713 C54.2@207.518,148.463 C55.2@208.915,148.463 208.921,148.457 210.306,148.457 C58.2@210.312,148.451
TEC_3_ADC: U7.20 U9.6 | length 14.2
  L4-SIG w0.2: v6(163.449,145.796) 163.449,144.78 163.62,144.609 169.755,144.609 v6(171.577,146.431)
  L6-SIG w0.2: v6(163.449,145.796) 163.449,145.812 163.596,145.959 U9.6@163.596,146.001 ; v6(171.577,146.431) 173.101,146.431 173.228,146.558 173.228,148.615 173.268,148.655 173.268,148.794 v2(173.306,148.832)
TEC_3_B: C58.1 C66.2 J5.6 L4.2 U7.12 | length 75.7
  L1-SIG w0.2: U7.12@172.671,147.865 172.695,147.841 172.695,147.091 v2(172.719,147.067)
  L6-SIG w0.2: v2(172.719,147.067) v2(172.719,147.067) 172.719,149.986 173.736,151.003 182.88,151.003 185.166,148.717 185.166,139.954 186.817,138.303 206.629,138.303 207.391,139.065 207.391,142.064 L4.2@207.088,142.367
  L6-SIG w0.5: v2(206.756,155.956) 206.375,155.956 205.359,154.94 205.359,151.964 206.852,150.471 210.717,150.471 211.455,149.733 211.455,147.479 211.162,147.187 210.548,147.187 C58.1@210.312,146.951 210.312,145.505 210.062,145.255 209.589,145.255 209.296,144.962 209.296,142.66 209.003,142.367 L4.2@207.264,142.367 ; L4.2@207.01,142.289 L4.2@207.088,142.367
TEC_4_A: C56.2 C57.2 C59.2 J5.7 U8.8 U8.9 | length 57.2
  L1-SIG w0.3: 177.565,148.908 v5(177.864,148.908) ; U8.9@177.595,148.602 177.59,148.602 177.565,148.627 177.565,148.825 177.546,148.844 177.565,148.863 177.565,149.077 177.59,149.102 U8.8@177.595,149.102
  L4-SIG w0.2: v5(177.864,148.908) 181.864,152.908 192.659,152.908 194.633,150.934 206.814,150.934 208.788,152.908 v2(208.788,155.956)
  L6-SIG w0.5: C59.2@192.278,155.055 C57.2@193.548,155.055 C56.2@194.818,155.055 194.944,155.181 194.944,156.33 195.84,157.226 208.368,157.226 208.788,156.806 v2(208.788,155.956)
TEC_4_ADC: U8.20 U9.8 | length 25.2
  L4-SIG w0.2: v6(162.889,146.945) 165.042,149.098 169.799,149.098 170.561,148.336 170.942,148.336 171.696,149.09 171.696,152.138 172.212,152.654 174.625,152.654 175.768,151.511 176.657,150.622 176.657,148.59 177.165,148.082 179.197,148.082 v2(179.705,148.59)
  L6-SIG w0.2: v6(162.889,146.945) 163.14,146.945 U9.8@163.146,146.951
TEC_4_B: C59.1 C67.2 J5.8 L5.2 U8.12 | length 49.5
  L1-SIG w0.2: U8.12@179.07,147.877 179.07,147.066 179.451,146.685 v2(182.753,146.685)
  L4-SIG w0.2: v2(182.753,146.685) 191.897,146.685 192.151,146.939 192.151,151.003 v6(192.405,151.257)
  L6-SIG w0.3: L5.2@192.2,151.257 192.2,150.682 L5.2@192.975,149.907
  L6-SIG w0.5: C59.1@192.278,153.555 L5.2@192.278,151.762 ; L5.2@192.708,151.257 192.278,151.687 L5.2@192.278,151.762 ; v2(210.693,155.956) 210.693,156.653 209.358,157.988 193.62,157.988 191.008,155.376 C67.2@191.008,152.007 192.033,152.007 L5.2@192.278,151.762
"WD DONE": R107.1 U20.24 | length 2.3
  L1-SIG w0.2: v2(164.973,123.913) U20.24@165.986,123.913
  L6-SIG w0.2: R107.1@164.211,123.317 164.811,123.317 164.935,123.441 164.935,123.875 v2(164.973,123.913)
"WD WAKE": R106.1 U20.23 | length 1.8
  L1-SIG w0.2: v2(164.846,124.46) 164.87,124.436 165.963,124.436 U20.23@165.986,124.413
  L6-SIG w0.2: R106.1@164.211,124.587 164.338,124.46 v2(164.846,124.46)
pads on no net: Designator2.Hole Designator3.Hole Designator4.Hole Designator5.Hole J1. J5.SH1 J5.SH2 J5.SH3 J5.SH4 J7.SH1 J7.SH2 J7.SH3 J7.SH4 J8.MH J9.MH J12.13 U3.2 U3.3 U3.5 U9.10 U9.11 U9.12 U9.13 U9.14 U9.15 U9.16 U9.17 U12.7 U12.10 U20.39 U20.77 U20.81 U20.82 U20.87 U20.88 U20.89

## Polygon pours and split planes (outlines as drawn)
GND on L2-GND "NONET_L-01_P-001" (solid, remove dead copper, pour order 0): 123.19,168.275 123.19,70.358 227.584,70.485 227.457,168.275
GND on L5-GND "NONET_L-01_P-001" (solid, remove dead copper, pour order 1): 123.063,168.783 122.809,70.485 227.711,70.231 227.711,168.402
GND on L1-SIG "NONET_L-01_P-001" (solid, remove dead copper, pour order 3): 123.063,168.275 122.809,70.358 227.711,70.358 227.838,168.529
GND on L4-SIG "NONET_L-01_P-001" (solid, remove dead copper, pour order 4): 122.936,168.656 123.063,70.231 227.838,70.358 227.965,168.275
GND on L6-SIG "NONET_L-01_P-001" (solid, remove dead copper, pour order 5): 122.936,168.656 122.682,70.485 227.711,70.358 227.838,168.783
NTC1+ on L3-VCC "NONET_L-01_P-001" (solid, remove dead copper, pour order 15): 155.575,160.528 ccw(c155.321,160.528) 155.321,160.782 146.05,160.782 ccw(c146.05,157.226) 142.494,157.226 142.494,156.845 ccw(c149.098,156.845) 149.098,150.241 150.495,150.241 cw(c150.495,149.479) 151.257,149.479 151.257,142.367 cw(c150.114,142.367) 150.114,141.224 143.002,141.224 ccw(c143.002,127.381) 129.159,127.381 129.159,80.391 ccw(c132.842,80.391) 132.842,76.708 217.17,76.708 ccw(c217.17,79.248) 219.71,79.248 219.71,159.385 ccw(c217.17,159.385) 217.17,161.925 209.677,161.925 ccw(c209.677,159.385) 207.137,159.385 207.137,111.633 cw(c204.851,111.633) 204.851,109.347 197.104,109.347 cw(c197.104,110.998) 195.453,110.998 195.453,116.205 ccw(c193.548,116.205) 193.548,118.11 187.96,118.11 cw(c187.96,120.65) 185.42,120.65 185.42,148.082 ccw(c172.593,148.082) 172.593,160.909 154.686,160.909

## Keep-outs
Keep-Out Layer:
  lines w0.2: 123.19,162.306 cw(c128.905,162.56) 128.651,168.275 222.504,168.275 cw(c222.567,163.258) 227.584,163.322 227.584,76.327 cw(c221.869,76.327) 221.869,70.612 128.651,70.612 cw(c128.461,75.882) 123.19,75.692 123.19,162.687